# Altium PCB sudoku.PcbDoc (part 1 of 3) (continued)
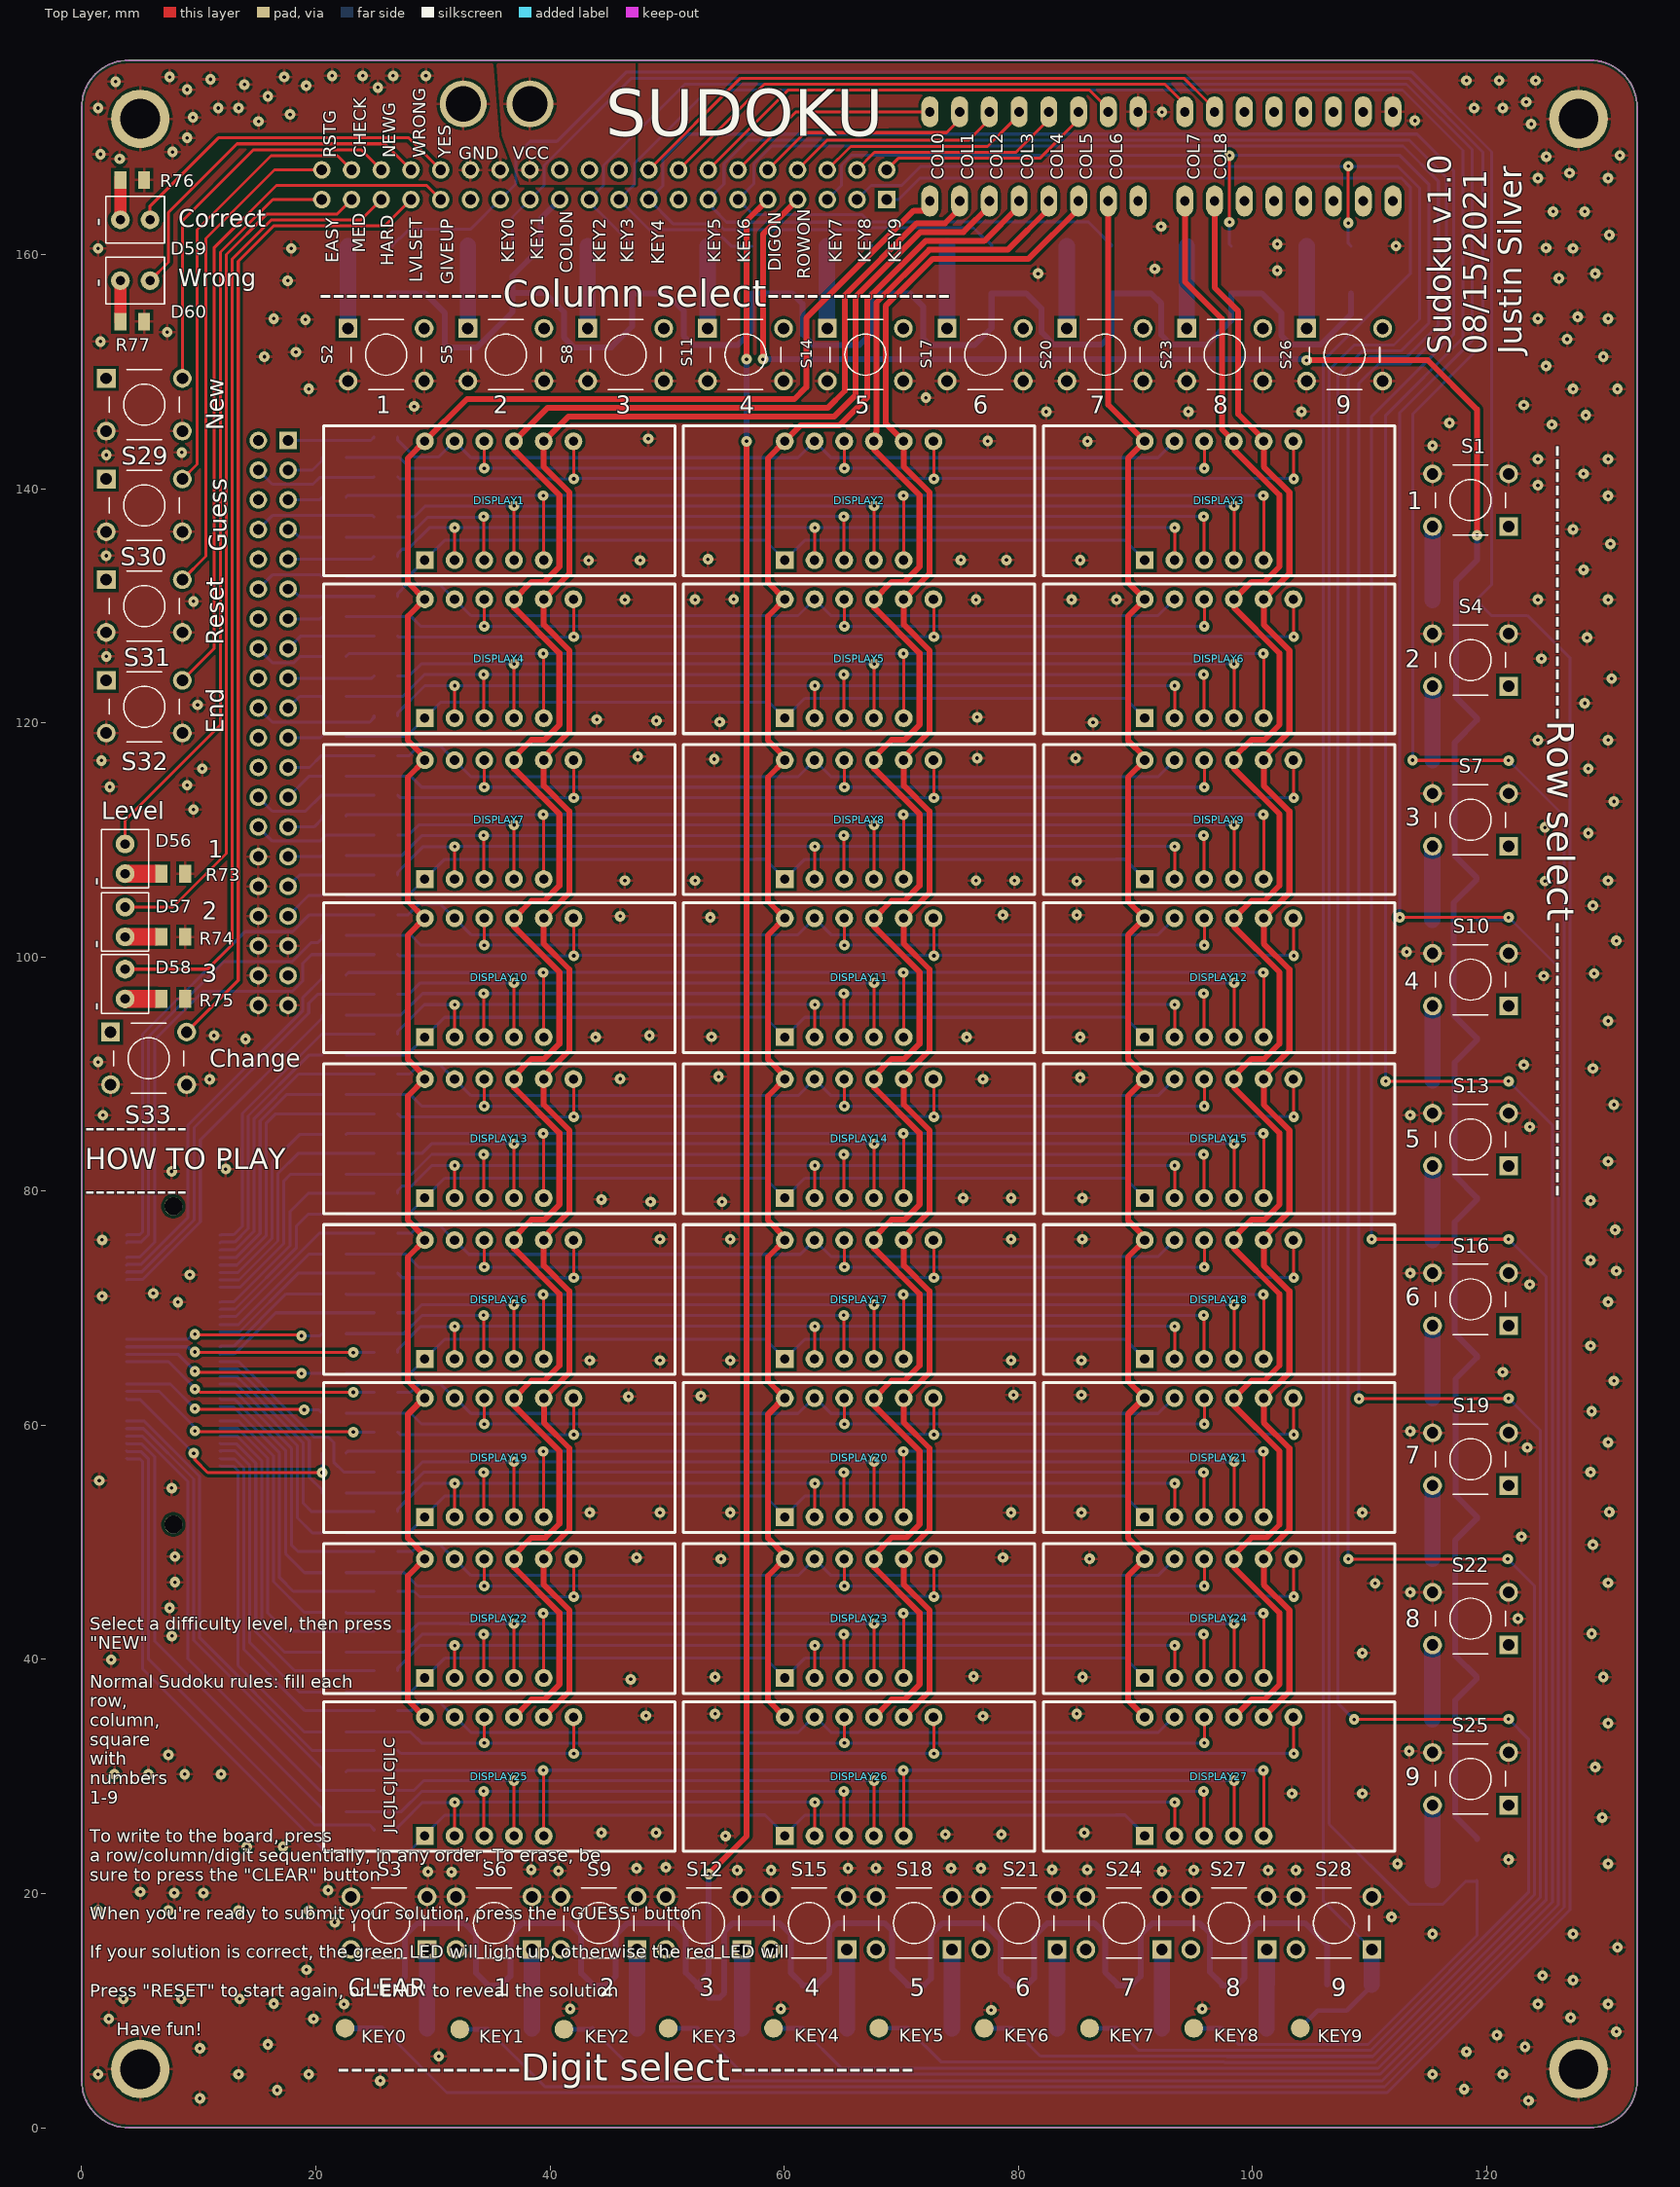
[diagram p0: Top Layer view]
## Components (designator, comment, footprint, x,y, rotation, side; value= is the part's Value field where it differs from the comment)
D1 "Diode 1N4007" DIODE_SMC 117.6,133.79 r0 bottom
D2 "Diode 1N4007" DIODE_SMC 24.95,156.525 r0 bottom
D3 "Diode 1N4007" DIODE_SMC 27.3,12.35 r180 bottom
D4 "Diode 1N4007" DIODE_SMC 117.6,130.29 r0 bottom
D5 "Diode 1N4007" DIODE_SMC 24.95,160.558 r0 bottom
D6 "Diode 1N4007" DIODE_SMC 27.3,8.692 r180 bottom
D7 "Diode 1N4007" DIODE_SMC 117.6,120.13 r0 bottom
D8 "Diode 1N4007" DIODE_SMC 35.2,156.55 r0 bottom
D9 "Diode 1N4007" DIODE_SMC 36.269,12.35 r180 bottom
D10 "Diode 1N4007" DIODE_SMC 117.6,116.63 r0 bottom
D11 "Diode 1N4007" DIODE_SMC 35.2,160.583 r0 bottom
D12 "Diode 1N4007" DIODE_SMC 36.269,8.692 r180 bottom
D13 "Diode 1N4007" DIODE_SMC 117.575,106.515 r0 bottom
D14 "Diode 1N4007" DIODE_SMC 45.422,156.525 r0 bottom
D15 "Diode 1N4007" DIODE_SMC 45.239,12.35 r180 bottom
D16 "Diode 1N4007" DIODE_SMC 117.575,102.98 r0 bottom
D17 "Diode 1N4007" DIODE_SMC 45.422,160.558 r0 bottom
D18 "Diode 1N4007" DIODE_SMC 45.239,8.692 r180 bottom
D19 "Diode 1N4007" DIODE_SMC 117.6,92.8 r0 bottom
D20 "Diode 1N4007" DIODE_SMC 55.658,156.525 r0 bottom
D21 "Diode 1N4007" DIODE_SMC 54.208,12.35 r180 bottom
D22 "Diode 1N4007" DIODE_SMC 117.6,89.266 r0 bottom
D23 "Diode 1N4007" DIODE_SMC 55.658,160.558 r0 bottom
D24 "Diode 1N4007" DIODE_SMC 54.208,8.692 r180 bottom
D25 "Diode 1N4007" DIODE_SMC 117.6,79.165 r0 bottom
D26 "Diode 1N4007" DIODE_SMC 65.871,156.525 r0 bottom
D27 "Diode 1N4007" DIODE_SMC 63.178,12.35 r180 bottom
D28 "Diode 1N4007" DIODE_SMC 117.6,75.63 r0 bottom
D29 "Diode 1N4007" DIODE_SMC 65.871,160.558 r0 bottom
D30 "Diode 1N4007" DIODE_SMC 63.178,8.692 r180 bottom
D31 "Diode 1N4007" DIODE_SMC 117.6,65.665 r0 bottom
D32 "Diode 1N4007" DIODE_SMC 76.131,156.525 r0 bottom
D33 "Diode 1N4007" DIODE_SMC 72.147,12.35 r180 bottom
D34 "Diode 1N4007" DIODE_SMC 117.6,62.13 r0 bottom
D35 "Diode 1N4007" DIODE_SMC 76.131,160.558 r0 bottom
D36 "Diode 1N4007" DIODE_SMC 72.147,8.692 r180 bottom
D37 "Diode 1N4007" DIODE_SMC 117.6,51.914 r0 bottom
D38 "Diode 1N4007" DIODE_SMC 86.367,156.525 r0 bottom
D39 "Diode 1N4007" DIODE_SMC 81.117,12.35 r180 bottom
D40 "Diode 1N4007" DIODE_SMC 117.6,48.38 r0 bottom
D41 "Diode 1N4007" DIODE_SMC 86.367,160.558 r0 bottom
D42 "Diode 1N4007" DIODE_SMC 81.117,8.692 r180 bottom
D43 "Diode 1N4007" DIODE_SMC 117.575,38.225 r0 bottom
D44 "Diode 1N4007" DIODE_SMC 96.603,156.525 r0 bottom
D45 "Diode 1N4007" DIODE_SMC 90.086,12.35 r180 bottom
D46 "Diode 1N4007" DIODE_SMC 117.575,34.69 r0 bottom
D47 "Diode 1N4007" DIODE_SMC 96.603,160.558 r0 bottom
D48 "Diode 1N4007" DIODE_SMC 90.086,8.692 r180 bottom
D49 "Diode 1N4007" DIODE_SMC 117.6,24.475 r0 bottom
D50 "Diode 1N4007" DIODE_SMC 106.839,156.525 r0 bottom
D51 "Diode 1N4007" DIODE_SMC 99.028,12.35 r180 bottom
D52 "Diode 1N4007" DIODE_SMC 117.6,20.941 r0 bottom
D53 "Diode 1N4007" DIODE_SMC 106.839,160.558 r0 bottom
D54 "Diode 1N4007" DIODE_SMC 99.028,8.692 r180 bottom
D55 "Diode 1N4007" DIODE_SMC 108,12.425 r180 bottom
D56 "RED" RED 3.702,108.405 r0 top
D57 "RED" RED 3.702,103.005 r0 top
D58 "RED" RED 3.702,97.705 r0 top
D59 "GREEN" GREEN 4.57,163 r270 top
D60 "RED" RED 4.57,157.8 r270 top
DISPLAY1 "" 3DIGITDISPLAY 35.659,139 r0 top
DISPLAY2 "" 3DIGITDISPLAY 66.409,139 r0 top
DISPLAY3 "" 3DIGITDISPLAY 97.159,139 r0 top
DISPLAY4 "" 3DIGITDISPLAY 35.659,125.5 r0 top
DISPLAY5 "" 3DIGITDISPLAY 66.409,125.5 r0 top
DISPLAY6 "" 3DIGITDISPLAY 97.159,125.5 r0 top
DISPLAY7 "" 3DIGITDISPLAY 35.659,111.75 r0 top
DISPLAY8 "" 3DIGITDISPLAY 66.409,111.75 r0 top
DISPLAY9 "" 3DIGITDISPLAY 97.159,111.75 r0 top
DISPLAY10 "" 3DIGITDISPLAY 35.659,98.25 r0 top
DISPLAY11 "" 3DIGITDISPLAY 66.409,98.25 r0 top
DISPLAY12 "" 3DIGITDISPLAY 97.159,98.25 r0 top
DISPLAY13 "" 3DIGITDISPLAY 35.659,84.5 r0 top
DISPLAY14 "" 3DIGITDISPLAY 66.409,84.5 r0 top
DISPLAY15 "" 3DIGITDISPLAY 97.159,84.5 r0 top
DISPLAY16 "" 3DIGITDISPLAY 35.659,70.75 r0 top
DISPLAY17 "" 3DIGITDISPLAY 66.409,70.75 r0 top
DISPLAY18 "" 3DIGITDISPLAY 97.159,70.75 r0 top
DISPLAY19 "" 3DIGITDISPLAY 35.659,57.25 r0 top
DISPLAY20 "" 3DIGITDISPLAY 66.409,57.25 r0 top
DISPLAY21 "" 3DIGITDISPLAY 97.159,57.25 r0 top
DISPLAY22 "" 3DIGITDISPLAY 35.659,43.5 r0 top
DISPLAY23 "" 3DIGITDISPLAY 66.409,43.5 r0 top
DISPLAY24 "" 3DIGITDISPLAY 97.159,43.5 r0 top
DISPLAY25 "" 3DIGITDISPLAY 35.659,30 r0 top
DISPLAY26 "" 3DIGITDISPLAY 66.409,30 r0 top
DISPLAY27 "" 3DIGITDISPLAY 97.159,30 r0 top
J1 "Header 20X2 (J5)" 2x20 68.77,164.725 r180 bottom
J2 "Header 20X2 (J4)" 2x20 17.625,144.15 r270 bottom
J3 "" SAMTEC_MEC6-140-02-L-D-RA1-TR 7.825,65.125 r270 bottom
R1 "Res1" SMD-0805-RES 25.984,49.225 r90 bottom value=220
R2 "Res1" SMD-0805-RES 25.984,45.825 r90 bottom value=220
R3 "Res1" SMD-0805-RES 25.984,42.425 r90 bottom value=220
R4 "Res1" SMD-0805-RES 25.984,62.825 r90 bottom value=220
R5 "Res1" SMD-0805-RES 25.984,39.025 r90 bottom value=220
R6 "Res1" SMD-0805-RES 25.984,59.425 r90 bottom value=220
R7 "Res1" SMD-0805-RES 21.554,37.211 r90 bottom value=220
R8 "Res1" SMD-0805-RES 25.984,56.025 r90 bottom value=220
R9 "Res1" SMD-0805-RES 21.554,47.42 r90 bottom value=220
R10 "Res1" SMD-0805-RES 25.984,52.625 r90 bottom value=220
R11 "Res1" SMD-0805-RES 21.554,44.017 r90 bottom value=220
R12 "Res1" SMD-0805-RES 21.554,50.823 r90 bottom value=220
R13 "Res1" SMD-0805-RES 21.554,40.614 r90 bottom value=220
R14 "Res1" SMD-0805-RES 21.554,61.031 r90 bottom value=220
R15 "Res1" SMD-0805-RES 21.554,57.629 r90 bottom value=220
R16 "Res1" SMD-0805-RES 25.984,35.625 r90 bottom value=220
R17 "Res1" SMD-0805-RES 21.554,54.226 r90 bottom value=220
R18 "Res1" SMD-0805-RES 25.984,32.225 r90 bottom value=220
R19 "Res1" SMD-0805-RES 25.984,28.825 r90 bottom value=220
R20 "Res1" SMD-0805-RES 25.984,25.425 r90 bottom value=220
R21 "Res1" SMD-0805-RES 21.554,23.6 r90 bottom value=220
R22 "Res1" SMD-0805-RES 21.554,33.809 r90 bottom value=220
R23 "Res1" SMD-0805-RES 21.554,30.406 r90 bottom value=220
R24 "Res1" SMD-0805-RES 21.554,27.003 r90 bottom value=220
R25 "Res1" SMD-0805-RES 25.984,103.625 r270 bottom value=220
R26 "Res1" SMD-0805-RES 25.984,100.225 r270 bottom value=220
R27 "Res1" SMD-0805-RES 25.984,96.825 r270 bottom value=220
R28 "Res1" SMD-0805-RES 25.984,93.425 r270 bottom value=220
R29 "Res1" SMD-0805-RES 21.554,91.657 r270 bottom value=220
R30 "Res1" SMD-0805-RES 25.984,130.825 r90 bottom value=220
R31 "Res1" SMD-0805-RES 21.554,101.866 r270 bottom value=220
R32 "Res1" SMD-0805-RES 25.984,127.425 r90 bottom value=220
R33 "Res1" SMD-0805-RES 21.554,98.463 r270 bottom value=220
R34 "Res1" SMD-0805-RES 25.984,124.025 r90 bottom value=220
R35 "Res1" SMD-0805-RES 21.554,95.06 r270 bottom value=220
R36 "Res1" SMD-0805-RES 25.984,120.625 r90 bottom value=220
R37 "Res1" SMD-0805-RES 21.554,118.88 r90 bottom value=220
R38 "Res1" SMD-0805-RES 25.984,90.025 r270 bottom value=220
R39 "Res1" SMD-0805-RES 21.554,129.089 r90 bottom value=220
R40 "Res1" SMD-0805-RES 25.984,86.625 r270 bottom value=220
R41 "Res1" SMD-0805-RES 21.554,125.686 r90 bottom value=220
R42 "Res1" SMD-0805-RES 25.984,83.225 r270 bottom value=220
R43 "Res1" SMD-0805-RES 21.554,122.283 r90 bottom value=220
R44 "Res1" SMD-0805-RES 25.984,79.825 r270 bottom value=220
R45 "Res1" SMD-0805-RES 21.554,78.046 r270 bottom value=220
R46 "Res1" SMD-0805-RES 25.984,144.425 r90 bottom value=220
R47 "Res1" SMD-0805-RES 21.554,88.254 r270 bottom value=220
R48 "Res1" SMD-0805-RES 25.984,141.025 r90 bottom value=220
R49 "Res1" SMD-0805-RES 21.554,84.851 r270 bottom value=220
R50 "Res1" SMD-0805-RES 25.984,137.625 r90 bottom value=220
R51 "Res1" SMD-0805-RES 21.554,81.449 r270 bottom value=220
R52 "Res1" SMD-0805-RES 25.984,134.225 r90 bottom value=220
R53 "Res1" SMD-0805-RES 21.554,132.491 r90 bottom value=220
R54 "Res1" SMD-0805-RES 25.984,76.425 r270 bottom value=220
R55 "Res1" SMD-0805-RES 21.554,142.7 r90 bottom value=220
R56 "Res1" SMD-0805-RES 25.984,73.025 r270 bottom value=220
R57 "Res1" SMD-0805-RES 21.554,139.297 r90 bottom value=220
R58 "Res1" SMD-0805-RES 25.984,69.625 r270 bottom value=220
R59 "Res1" SMD-0805-RES 21.554,135.894 r90 bottom value=220
R60 "Res1" SMD-0805-RES 25.984,66.225 r270 bottom value=220
R61 "Res1" SMD-0805-RES 21.554,64.434 r270 bottom value=220
R62 "Res1" SMD-0805-RES 25.984,117.225 r270 bottom value=220
R63 "Res1" SMD-0805-RES 21.554,74.643 r270 bottom value=220
R64 "Res1" SMD-0805-RES 25.984,113.825 r270 bottom value=220
R65 "Res1" SMD-0805-RES 21.554,71.24 r270 bottom value=220
R66 "Res1" SMD-0805-RES 25.984,110.425 r270 bottom value=220
R67 "Res1" SMD-0805-RES 21.554,67.837 r270 bottom value=220
R68 "Res1" SMD-0805-RES 25.984,107.025 r270 bottom value=220
R69 "Res1" SMD-0805-RES 21.554,105.269 r270 bottom value=220
R70 "Res1" SMD-0805-RES 21.554,115.477 r270 bottom value=220
R71 "Res1" SMD-0805-RES 21.554,112.074 r270 bottom value=220
R72 "Res1" SMD-0805-RES 21.554,108.671 r270 bottom value=220
R73 "Res1" SMD-0805-RES 7.816,107.135 r90 top value=220
R74 "Res1" SMD-0805-RES 7.816,101.735 r90 top value=220
R75 "Res1" SMD-0805-RES 7.816,96.435 r90 top value=220
R76 "Res1" SMD-0805-RES 4.316,166.4 r90 top value=220
R77 "Res1" SMD-0805-RES 4.316,154.3 r90 top value=220
S1 "ROW0" SW_1825910-6-4 118.65,139.046 r180 top
S2 "COL0" SW_1825910-6-4 26,151.475 r0 top
S3 "DIG0" SW_1825910-6-4 26.25,17.475 r180 top
S4 "ROW1" SW_1825910-6-4 118.65,125.39 r180 top
S5 "COL1" SW_1825910-6-4 36.236,151.475 r0 top
S6 "DIG1" SW_1825910-6-4 35.219,17.475 r180 top
S7 "ROW2" SW_1825910-6-4 118.65,111.734 r180 top
S8 "COL2" SW_1825910-6-4 46.472,151.475 r0 top
S9 "DIG2" SW_1825910-6-4 44.189,17.475 r180 top
S10 "ROW3" SW_1825910-6-4 118.65,98.079 r180 top
S11 "COL3" SW_1825910-6-4 56.708,151.475 r0 top
S12 "DIG3" SW_1825910-6-4 53.158,17.475 r180 top
S13 "ROW4" SW_1825910-6-4 118.65,84.423 r180 top
S14 "COL4" SW_1825910-6-4 66.945,151.475 r0 top
S15 "DIG4" SW_1825910-6-4 62.128,17.475 r180 top
S16 "ROW5" SW_1825910-6-4 118.65,70.767 r180 top
S17 "COL5" SW_1825910-6-4 77.181,151.475 r0 top
S18 "DIG5" SW_1825910-6-4 71.097,17.475 r180 top
S19 "ROW6" SW_1825910-6-4 118.65,57.111 r180 top
S20 "COL6" SW_1825910-6-4 87.417,151.475 r0 top
S21 "DIG6" SW_1825910-6-4 80.067,17.475 r180 top
S22 "ROW7" SW_1825910-6-4 118.65,43.49 r180 top
S23 "COL7" SW_1825910-6-4 97.653,151.475 r0 top
S24 "DIG7" SW_1825910-6-4 89.036,17.475 r180 top
S25 "ROW8" SW_1825910-6-4 118.65,29.8 r180 top
S26 "COL8" SW_1825910-6-4 107.889,151.475 r0 top
S27 "DIG8" SW_1825910-6-4 98.006,17.475 r180 top
S28 "DIG9" SW_1825910-6-4 106.975,17.475 r180 top
S29 "NEWGAME" SW_1825910-6-4 5.344,147.2 r0 top
S30 "CHECKANS" SW_1825910-6-4 5.344,138.6 r0 top
S31 "RSTGAME" SW_1825910-6-4 5.344,130 r0 top
S32 "GIVEUP" SW_1825910-6-4 5.344,121.4 r0 top
S33 "DIFFSET" SW_1825910-6-4 5.714,91.357 r0 top
U1 "" DIL16 81.35,168.415 r0 bottom
U2 "" DIL16 103.13,168.415 r0 bottom

## Footprints (in the part's own frame and the unit in brackets; to place one, negate y for a bottom-side part, rotate by r counter-clockwise, add the part's x,y. Pads: shape width x height; smd on the part's side, far side on the other; paste and mask are expansions set on the pad)
2x20 [mm] "Connector; Header; 20x2 Position"
  rect 1.5x1.5 hole 0.9: 1(0,0)
  round 1.5 hole 0.9: 2(0,2.54) 3(2.54,0) 4(2.54,2.54) 5(5.08,0) 6(5.08,2.54) 7(7.62,0) 8(7.62,2.54) 9(10.16,0) 10(10.16,2.54) 11(12.7,0) 12(12.7,2.54) 13(15.24,0) 14(15.24,2.54) 15(17.78,0) 16(17.78,2.54) 17(20.32,0) 18(20.32,2.54) 19(22.86,0) 20(22.86,2.54) 21(25.4,0) 22(25.4,2.54) 23(27.94,0) 24(27.94,2.54) 25(30.48,0) 26(30.48,2.54) 27(33.02,0) 28(33.02,2.54) 29(35.56,0) 30(35.56,2.54) 31(38.1,0) 32(38.1,2.54) 33(40.64,0) 34(40.64,2.54) 35(43.18,0) 36(43.18,2.54) 37(45.72,0) 38(45.72,2.54) 39(48.26,0) 40(48.26,2.54)
  silkscreen extent -1.27,-1.27 49.53,3.81, body extent -1.4,-1.23 49.7,3.77, height 8.5
3DIGITDISPLAY [mil]
  rect 60x60 hole 31.5: 1(-250.03,-200)
  round 60 hole 31.5: 2(-150.03,-200) 3(-50.03,-200) 4(49.97,-200) 5(149.97,-200) 7(249.97,200) 8(149.97,200) 9(49.97,200) 10(-50.03,200) 11(-150.03,200) 12(-250.03,200)
  silkscreen extent -591,-252 591,252, body extent -591,-252 591,252, height 276
DIL16 [mil]
  oval 57x104 hole 32: 1(-350,-150) 2(-250,-150) 3(-150,-150) 4(-50,-150) 5(50,-150) 6(150,-150) 7(250,-150) 8(350,-150) 9(350,150) 10(250,150) 11(150,150) 12(50,150) 13(-50,150) 14(-150,150) 15(-250,150) 16(-350,150)
  silkscreen extent -400,-69 400,76, body extent -400,-209 403,204, height 317
DIODE_SMC [mm] "Diode; 2 Leads"
  rect 1.4x1.57 smd: 1(1.6,-0.2) 2(-2.2,-0.2)
  silkscreen extent -3.4,-1.6 2.8,1.2, body extent -2.95,-1.75 2.35,1.36, height 2.4
GREEN [mm] "LED; 2 Leads"
  round 1.6 hole 0.8: 1(0,1.27) 2(0,-1.27)
  silkscreen extent -2,-2.5 2,2.5, body extent -1.49,-1.95 2,2.03, height 5.38
RED [mm] "LED; 2 Leads"
  round 1.6 hole 0.8: 1(0,1.27) 2(0,-1.27)
  silkscreen extent -2,-2.5 2,2.5, body extent -1.49,-1.95 2,2.03, height 5.38
SAMTEC_MEC6-140-02-L-D-RA1-TR [mm]
  rect 0.4x2 smd: 01(-12.383,-4) 02(-12.382,4) 03(-11.748,-4) 04(-11.747,4) 05(-11.113,-4) 06(-11.112,4) 07(-10.478,-4) 08(-10.477,4) 09(-9.843,-4) 10(-9.842,4) 11(-9.208,-4) 12(-9.207,4) 13(-8.573,-4) 14(-8.572,4) 15(-7.938,-4) 16(-7.937,4) 17(-7.303,-4) 18(-7.302,4) 19(-6.668,-4) 20(-6.667,4) 21(-6.033,-4) 22(-6.032,4) 23(-5.398,-4) 24(-5.397,4) 25(-4.763,-4) 26(-4.762,4) 27(-4.128,-4) 28(-4.127,4) 29(-3.493,-4) 30(-3.492,4) 31(-2.858,-4) 32(-2.857,4) 33(-2.223,-4) 34(-2.222,4) 35(-1.588,-4) 36(-1.587,4) 37(-0.953,-4) 38(-0.952,4) 39(-0.318,-4) 40(-0.317,4) 41(0.317,-4) 42(0.318,4) 43(0.952,-4) 44(0.953,4) 45(1.587,-4) 46(1.588,4) 47(2.222,-4) 48(2.223,4) 49(2.857,-4) 50(2.858,4) 51(3.492,-4) 52(3.493,4) 53(4.127,-4) 54(4.128,4) 55(4.762,-4) 56(4.763,4) 57(5.397,-4) 58(5.398,4) 59(6.032,-4) 60(6.033,4) 61(6.667,-4) 62(6.668,4) 63(7.302,-4) 64(7.303,4) 65(7.937,-4) 66(7.938,4) 67(8.572,-4) 68(8.573,4) 69(9.207,-4) 70(9.208,4) 71(9.842,-4) 72(9.843,4) 73(10.477,-4) 74(10.478,4) 75(11.112,-4) 76(11.113,4) 77(11.747,-4) 78(11.748,4) 79(12.382,-4) 80(12.383,4)
  round 1.55 hole 1.55 unplated: ""(-13.593,0) ""(13.593,0)
  silkscreen extent -14.29,-5.7 14.29,3.7, body extent -14.21,-4.53 14.35,4.57, height 5.75
SMD-0805-RES [mil]
  rect 60x40 smd: 1(0,40) 2(0,-40)
  body extent -24,-39 26,39, height 31
SW_1825910-6-4 [mm]
  rect 1.6x1.6 hole 0.99: 1(-3.25,2.25)
  round 1.6 hole 0.99: 2(3.25,2.25) 3(-3.25,-2.25) 4(3.25,-2.25)
  silkscreen extent -3,-3 3,3, body extent -3.84,-3 3.84,3, height 9.5

## Part data
D1 D2 D3 D4 D5 D6 D7 D8 D9 D10 D11 D12 D13 D14 D15 D16 D17 D18 D19 D20 D21 D22 D23 D24 D25 D26 D27 D28 D29 D30 D31 D32 D33 D34 D35 D36 D37 D38 D39 D40 D41 D42 D43 D44 D45 D46 D47 D48 D49 D50 D51 D52 D53 D54 D55: "1 Amp General Purpose Rectifier", Code_JEDEC=DO-204-AL, ComponentLink1Description="Manufacturer Link", ComponentLink1URL=http://www.fairchildsemi.com/, ComponentLink2Description=Datasheet, ComponentLink2URL=http://www.fairchildsemi.com/ds/1N%2F1N4001.pdf, DatasheetVersion=1998, LatestRevisionDate=17-Jul-2002, LatestRevisionNote="Re-released for DXP Platform.", PackageDescription="Diode, Axial; Body 5.2 x 2.7 mm (LxDia. max), Lead Dia. 0.86 mm (max)", PackageReference=DO-41, PackageVersion=Aug-1999, Published=8-Jun-2000, Publisher="Altium Limited"
D56 D57 D58 D59 D60: library part LED1, "Typical RED GaAs LED", LatestRevisionDate=08-Jul-2005, LatestRevisionNote="Mech Layer 1 removed.", PackageDescription="LED; 2 Leads", PackageReference=LED-1, Published=8-Jun-2000, Publisher="Altium Limited"
DISPLAY1: library part 3DIGITREDCC, "7-Segment Display", Colour="High Efficiency Red (HER)", ComponentLink1Description="Manufacturer Link", ComponentLink1URL=http://www.agilent.com/, DatasheetVersion=19-Feb-2002, LatestRevisionDate=17-Dec-2003, LatestRevisionNote="Schematic revised, PCB Footprint replaced.", MinimumIntensity="360 ucd", Note="Pins 1 and 6 are redundant Cathodes.", PackageDescription="LED, 7-Segment Display, 7.62 mm, RHD; 10 Leads; Row Space 5.08 mm; Pitch 2.54 mm", PackageReference=A, PackageVersion=11-Feb-2002, Published=8-Jun-2000, Publisher="Altium Limited"
DISPLAY2 DISPLAY3 DISPLAY4 DISPLAY5 DISPLAY6 DISPLAY7 DISPLAY8 DISPLAY9 DISPLAY10 DISPLAY11 DISPLAY12 DISPLAY13 DISPLAY14 DISPLAY15 DISPLAY16 DISPLAY17 DISPLAY18 DISPLAY19 DISPLAY20 DISPLAY21 DISPLAY22 DISPLAY23 DISPLAY24 DISPLAY25 DISPLAY26 DISPLAY27: library part 3DIGITREDCC, "7.62 mm Black Surface HER 7-Segment Display: CC, RH DP", Colour="High Efficiency Red (HER)", ComponentLink1Description="Manufacturer Link", ComponentLink1URL=http://www.agilent.com/, DatasheetVersion=19-Feb-2002, LatestRevisionDate=17-Dec-2003, LatestRevisionNote="Schematic revised, PCB Footprint replaced.", MinimumIntensity="360 ucd", Note="Pins 1 and 6 are redundant Cathodes.", PackageDescription="LED, 7-Segment Display, 7.62 mm, RHD; 10 Leads; Row Space 5.08 mm; Pitch 2.54 mm", PackageReference=A, PackageVersion=11-Feb-2002, Published=8-Jun-2000, Publisher="Altium Limited"
J1 J2: library part "Header 20X2", "Header, 20-Pin, Dual row", LatestRevisionDate=17-Jul-2002, LatestRevisionNote="Re-released for DXP Platform.", Publisher="Altium Limited"
J3: library part MEC6-140-02-L-D-RA1-TR, "Edge connector", Package=None, Availability=Unavailable, MF=Samtec, MP=MEC6-140-02-L-D-RA1-TR, Price=None
R1 R2 R3 R4 R5 R6 R7 R8 R9 R10 R11 R12 R13 R14 R15 R16 R17 R18 R19 R20 R21 R22 R23 R24 R25 R26 R27 R28 R29 R30 R31 R32 R33 R34 R35 R36 R37 R38 R39 R40 R41 R42 R43 R44 R45 R46 R47 R48 R49 R50 R51 R52 R53 R54 R55 R56 R57 R58 R59 R60 R61 R62 R63 R64 R65 R66 R67 R68 R69 R70 R71 R72 R73 R74 R75 R76 R77: "Resistor", LatestRevisionDate=17-Jul-2002, LatestRevisionNote="Re-released for DXP Platform.", PackageDescription="Axial Device, Thru-Hole; 2 Leads; 0.3 in Pin Spacing", PackageReference=AXIAL-0.3, Published=8-Jun-2000, Publisher="Altium Limited"
S1 S2 S3 S4 S5 S6 S7 S8 S9 S10 S11 S12 S13 S14 S15 S16 S17 S18 S19 S20 S21 S22 S23 S24 S25 S26 S27 S28 S29 S30 S31 S32 S33: library part SW-PB, "Switch", LatestRevisionDate=17-Jul-2002, LatestRevisionNote="Re-released for DXP Platform.", PackageDescription="Switch; 2 Leads", PackageReference=SPST-2, Published=24-Mar-1999, Publisher="Altium Limited"
U1 U2: library part ULN2003A

## Free pads (board coordinates)
  round 4 hole 3: 25(32.594,172.9) 26(38.29,172.9)
  round 5 hole 3.4 mask+0.065: 27(5,5) 27(5,171.625) 27(127.875,5) 27(127.875,171.625)
  round 1.6 all layers, no hole: 28(22.5,8.5) 28(32.3,8.407) 28(41.2,8.407) 28(50.1,8.492) 28(59.1,8.492) 28(68.1,8.5) 28(77.1,8.492) 28(86.1,8.492) 28(95,8.492) 28(104.1,8.5)

## Via types
v1: diameter 0.9, hole 0.3, Top Layer to Bottom Layer, 533 vias

## Nets (pads, with @x,y where several pads share a name; then routed paths per layer and width w, separated by ;. In a path a pad name is that pad's centre, name@x,y a point inside that pad or via, vN(x,y) a via of type N, cw(c..) or ccw(c..) an arc to the next point about the centre after c; other vN are vias at no path point)
/LEDCOL0: DISPLAY1.12 DISPLAY4.12 DISPLAY7.12 DISPLAY10.12 DISPLAY13.12 DISPLAY16.12 DISPLAY19.12 DISPLAY22.12 DISPLAY25.12 U1.16 | length 175
  Top Layer w0.5: DISPLAY25.12@29.309,35.08 27.859,36.529 27.859,47.131 DISPLAY22.12@29.309,48.58 ; DISPLAY22.12@29.309,48.92 27.859,50.369 27.859,60.881 ; DISPLAY19.12@29.309,62.42 DISPLAY19.12@29.264,62.375 ; DISPLAY16.12@29.309,75.83 27.859,74.381 27.859,63.779 DISPLAY19.12@29.264,62.375 ; DISPLAY16.12@29.309,76.08 27.859,77.529 27.859,88.131 DISPLAY13.12@29.309,89.58 ; DISPLAY13.12@29.309,89.83 27.859,91.279 27.859,101.881 DISPLAY10.12@29.309,103.33 27.859,104.779 27.859,115.381 DISPLAY7.12@29.309,116.83 ; DISPLAY7.12@29.309,117.08 27.859,118.529 27.859,129.131 DISPLAY4.12@29.309,130.58 27.859,132.029 27.859,142.631 DISPLAY1.12@29.309,144.08 32.913,147.684 60.884,147.684 61.9,148.7 61.9,154.6 71.088,163.788 72.081,163.788 72.46,164.167 U1.16@72.46,164.605 ; 27.859,60.881 DISPLAY19.12@29.309,62.33 DISPLAY19.12@29.264,62.375 ; 27.859,60.881 27.859,60.971 DISPLAY19.12@29.264,62.375
/LEDCOL1: DISPLAY1.9 DISPLAY4.9 DISPLAY7.9 DISPLAY10.9 DISPLAY13.9 DISPLAY16.9 DISPLAY19.9 DISPLAY22.9 DISPLAY25.9 U1.15 | length 191.8
  Top Layer w0.5: DISPLAY25.9@36.929,34.803 DISPLAY25.9@36.929,35.08 ; DISPLAY25.9@36.929,35.17 DISPLAY25.9@36.929,35.08 ; DISPLAY22.9@36.929,48.58 36.929,47.856 40.811,43.974 40.811,37.864 39.516,36.57 38.419,36.57 DISPLAY25.9@36.929,35.08 ; DISPLAY22.9@36.929,48.643 36.929,48.92 38.419,50.41 39.619,50.41 40.811,51.601 40.811,57.814 36.929,61.696 DISPLAY19.9@36.929,62.33 ; DISPLAY19.9@36.929,62.42 DISPLAY19.9@36.929,62.33 ; DISPLAY7.9@36.929,116.83 36.929,116.106 40.811,112.224 40.811,106.114 39.516,104.82 38.419,104.82 DISPLAY10.9@36.929,103.33 36.929,102.606 40.811,98.724 40.811,92.614 39.516,91.32 38.419,91.32 36.929,89.83 DISPLAY13.9@36.929,89.58 36.929,88.856 40.811,84.974 40.811,78.864 39.516,77.57 38.419,77.57 36.929,76.08 DISPLAY16.9@36.929,75.83 36.929,75.106 40.811,71.224 40.811,65.114 39.516,63.82 38.419,63.82 DISPLAY19.9@36.929,62.33 ; DISPLAY7.9@36.929,117.08 38.419,118.57 39.516,118.57 40.811,119.864 40.811,125.974 36.929,129.856 DISPLAY4.9@36.929,130.58 38.419,132.07 39.516,132.07 40.811,133.364 40.811,139.474 36.929,143.356 DISPLAY1.9@36.929,144.08 39.779,146.93 63.73,146.93 65.192,148.392 65.192,156.558 71.338,162.704 73.76,162.704 75,163.945 U1.15@75,164.605
/LEDCOL2: DISPLAY1.8 DISPLAY4.8 DISPLAY7.8 DISPLAY10.8 DISPLAY13.8 DISPLAY16.8 DISPLAY19.8 DISPLAY22.8 DISPLAY25.8 U1.14 | length 175.1
  Top Layer w0.5: DISPLAY7.8@39.469,116.83 39.469,114.648 41.659,112.457 41.659,105.521 DISPLAY10.8@39.469,103.33 39.469,101.148 41.659,98.957 41.659,92.021 39.469,89.83 DISPLAY13.8@39.469,89.58 39.469,87.398 41.659,85.207 41.659,78.271 39.469,76.08 DISPLAY16.8@39.469,75.83 39.469,73.648 41.659,71.457 41.659,64.521 DISPLAY19.8@39.469,62.33 39.509,62.289 39.509,60.198 41.659,58.048 41.659,51.111 39.469,48.92 DISPLAY22.8@39.469,48.58 39.469,46.398 41.659,44.207 41.659,37.271 DISPLAY25.8@39.469,35.08 DISPLAY25.8@39.509,35.039 ; DISPLAY7.8@39.469,117.08 41.659,119.271 41.659,126.207 39.469,128.398 DISPLAY4.8@39.469,130.58 41.659,132.771 41.659,139.707 39.469,141.898 DISPLAY1.8@39.469,144.08 41.565,146.176 64.276,146.176 66.1,148 66.1,156.4 71.65,161.95 75.323,161.95 77.54,164.167 U1.14@77.54,164.605
/LEDCOL3: DISPLAY2.12 DISPLAY5.12 DISPLAY8.12 DISPLAY11.12 DISPLAY14.12 DISPLAY17.12 DISPLAY20.12 DISPLAY23.12 DISPLAY26.12 U1.13 | length 153.4
  Top Layer w0.5: DISPLAY2.12@60.059,144.08 61.401,145.422 64.722,145.422 67.1,147.8 67.1,156.2 72.083,161.183 77.096,161.183 80.08,164.167 U1.13@80.08,164.605 ; DISPLAY26.12@60.075,35.08 58.626,36.529 58.626,47.131 DISPLAY23.12@60.075,48.58 ; DISPLAY23.12@60.075,48.92 58.626,50.369 58.626,60.881 ; DISPLAY20.12@60.075,62.42 DISPLAY20.12@60.03,62.375 ; DISPLAY17.12@60.075,75.83 58.626,74.381 58.626,63.779 DISPLAY20.12@60.03,62.375 ; DISPLAY17.12@60.075,76.08 58.626,77.529 58.626,88.131 DISPLAY14.12@60.075,89.58 ; DISPLAY14.12@60.075,89.83 58.626,91.279 58.626,101.881 60.075,103.33 58.626,104.779 58.626,115.381 DISPLAY8.12@60.075,116.83 ; DISPLAY8.12@60.075,117.08 58.626,118.529 58.626,129.131 60.075,130.58 58.626,132.029 58.626,142.631 DISPLAY2.12@60.075,144.08 ; 58.626,60.881 60.075,62.33 DISPLAY20.12@60.03,62.375 ; 58.626,60.881 58.626,60.971 DISPLAY20.12@60.03,62.375
/LEDCOL4: DISPLAY2.9 DISPLAY5.9 DISPLAY8.9 DISPLAY11.9 DISPLAY14.9 DISPLAY17.9 DISPLAY20.9 DISPLAY23.9 DISPLAY26.9 U1.12 | length 170.8
  Top Layer w0.5: DISPLAY2.9@67.679,144.08 67.875,144.276 67.875,144.859 67.9,144.885 67.9,155.934 72.395,160.429 79.104,160.429 82.62,163.945 U1.12@82.62,164.605 ; DISPLAY26.9@67.695,34.803 DISPLAY26.9@67.695,35.08 ; DISPLAY26.9@67.695,35.17 DISPLAY26.9@67.695,35.08 ; DISPLAY23.9@67.695,48.58 67.695,47.856 71.577,43.974 71.577,37.864 70.283,36.57 69.185,36.57 DISPLAY26.9@67.695,35.08 ; DISPLAY23.9@67.695,48.643 67.695,48.92 69.225,50.45 70.484,50.45 71.577,51.543 71.577,57.814 67.695,61.696 DISPLAY20.9@67.695,62.33 ; DISPLAY20.9@67.695,62.42 DISPLAY20.9@67.695,62.33 ; DISPLAY8.9@67.695,116.83 67.695,116.106 71.577,112.224 71.577,106.114 70.283,104.82 69.185,104.82 67.695,103.33 67.695,102.606 71.577,98.724 71.577,92.614 70.283,91.32 69.185,91.32 67.695,89.83 67.695,88.856 71.577,84.974 71.577,78.864 70.283,77.57 69.185,77.57 67.695,76.08 67.695,75.106 71.577,71.224 71.577,65.114 70.283,63.82 69.185,63.82 DISPLAY20.9@67.695,62.33 ; DISPLAY8.9@67.695,117.08 69.185,118.57 70.283,118.57 71.577,119.864 71.577,125.974 67.695,129.856 67.695,130.58 69.185,132.07 70.283,132.07 71.577,133.364 71.577,139.474 67.695,143.356 DISPLAY2.9@67.695,144.08
/LEDCOL5: DISPLAY2.8 DISPLAY5.8 DISPLAY8.8 DISPLAY11.8 DISPLAY14.8 DISPLAY17.8 DISPLAY20.8 DISPLAY23.8 DISPLAY26.8 U1.11 | length 156.1
  Top Layer w0.5: DISPLAY26.8@70.219,35.08 DISPLAY26.8@70.235,35.063 ; DISPLAY20.8@70.219,62.33 70.235,62.313 70.235,60.238 72.426,58.048 72.426,51.111 70.235,48.92 70.235,46.398 72.426,44.207 72.426,37.271 DISPLAY26.8@70.235,35.08 ; DISPLAY2.8@70.219,144.08 68.673,145.625 68.673,155.641 72.708,159.675 80.89,159.675 85.16,163.945 U1.11@85.16,164.605 ; DISPLAY20.8@70.235,62.33 72.426,64.521 72.426,71.457 70.235,73.648 70.235,76.08 72.426,78.271 72.426,85.207 70.235,87.398 70.235,89.83 72.426,92.021 72.426,98.957 70.235,101.148 70.235,103.33 72.426,105.521 72.426,112.457 70.235,114.648 DISPLAY8.8@70.235,116.83 ; DISPLAY8.8@70.235,117.08 72.426,119.271 72.426,126.207 70.235,128.398 70.235,130.58 72.426,132.771 72.426,139.707 70.235,141.898 DISPLAY2.8@70.235,144.08
/LEDCOL6: DISPLAY3.12 DISPLAY6.12 DISPLAY9.12 DISPLAY12.12 DISPLAY15.12 DISPLAY18.12 DISPLAY21.12 DISPLAY24.12 DISPLAY27.12 U1.10 | length 141.5
  Top Layer w0.5: U1.10@87.7,164.605 87.7,147.189 DISPLAY3.12@90.809,144.08 ; DISPLAY27.12@90.825,35.08 89.376,36.529 89.376,47.131 DISPLAY24.12@90.825,48.58 ; DISPLAY24.12@90.825,48.92 89.376,50.369 89.376,60.881 ; DISPLAY21.12@90.825,62.42 DISPLAY21.12@90.78,62.375 ; DISPLAY18.12@90.825,75.83 89.376,74.381 89.376,63.779 DISPLAY21.12@90.78,62.375 ; DISPLAY18.12@90.825,76.08 89.376,77.529 89.376,88.131 DISPLAY15.12@90.825,89.58 ; DISPLAY15.12@90.825,89.83 89.376,91.279 89.376,101.881 90.825,103.33 89.376,104.779 89.376,115.381 DISPLAY9.12@90.825,116.83 ; DISPLAY9.12@90.825,117.08 89.376,118.529 89.376,129.131 90.825,130.58 89.376,132.029 89.376,142.631 DISPLAY3.12@90.825,144.08 ; 89.376,60.881 90.825,62.33 DISPLAY21.12@90.78,62.375 ; 89.376,60.881 89.376,60.971 DISPLAY21.12@90.78,62.375
/LEDCOL7: DISPLAY3.9 DISPLAY6.9 DISPLAY9.9 DISPLAY12.9 DISPLAY15.9 DISPLAY18.9 DISPLAY21.9 DISPLAY24.9 DISPLAY27.9 U2.16 | length 162
  Top Layer w0.5: U2.16@94.24,164.605 94.24,157.707 97.4,154.547 97.4,145.109 DISPLAY3.9@98.429,144.08 ; DISPLAY27.9@98.445,35.08 99.935,36.57 101.033,36.57 102.327,37.864 102.327,43.974 98.445,47.856 DISPLAY24.9@98.445,48.58 ; DISPLAY24.9@98.445,48.643 98.445,48.92 99.95,50.425 101.234,50.425 102.327,51.518 102.327,57.814 98.445,61.696 DISPLAY21.9@98.445,62.33 ; DISPLAY21.9@98.445,62.42 DISPLAY21.9@98.445,62.33 ; DISPLAY9.9@98.445,116.83 98.445,116.106 102.327,112.224 102.327,106.114 101.033,104.82 99.935,104.82 98.445,103.33 98.445,102.606 102.327,98.724 102.327,92.614 101.033,91.32 99.935,91.32 98.445,89.83 98.445,88.856 102.327,84.974 102.327,78.864 101.033,77.57 99.935,77.57 98.445,76.08 98.445,75.106 102.327,71.224 102.327,65.114 101.033,63.82 99.935,63.82 DISPLAY21.9@98.445,62.33 ; DISPLAY9.9@98.445,117.08 99.935,118.57 101.033,118.57 102.327,119.864 102.327,125.974 98.445,129.856 98.445,130.58 99.935,132.07 101.033,132.07 102.327,133.364 102.327,139.474 98.445,143.356 DISPLAY3.9@98.445,144.08
/LEDCOL8: DISPLAY3.8 DISPLAY6.8 DISPLAY9.8 DISPLAY12.8 DISPLAY15.8 DISPLAY18.8 DISPLAY21.8 DISPLAY24.8 DISPLAY27.8 U2.15 | length 145.6
  Top Layer w0.5: U2.15@96.78,164.605 96.78,157.208 98.8,155.187 98.8,146.4 100.969,144.231 DISPLAY3.8@100.969,144.08 ; DISPLAY27.8@100.969,35.08 DISPLAY27.8@100.985,35.063 ; DISPLAY21.8@100.969,62.33 100.985,62.313 100.985,60.238 103.176,58.048 103.176,51.111 100.985,48.92 100.985,46.398 103.176,44.207 103.176,37.271 DISPLAY27.8@100.985,35.08 ; DISPLAY21.8@100.985,62.33 103.176,64.521 103.176,71.457 100.985,73.648 100.985,76.08 103.176,78.271 103.176,85.207 100.985,87.398 100.985,89.83 103.176,92.021 103.176,98.957 100.985,101.148 100.985,103.33 103.176,105.521 103.176,112.457 100.985,114.648 DISPLAY9.8@100.985,116.83 ; DISPLAY9.8@100.985,117.08 103.176,119.271 103.176,126.207 100.985,128.398 100.985,130.58 103.176,132.771 103.176,139.707 100.985,141.898 DISPLAY3.8@100.985,144.08
CHECKANS: J1.38 S30.1 S30.2 | length 38.1
  Top Layer w0.254: S30.2@8.594,140.85 9.858,142.114 9.858,162.158 16.176,168.476 21.839,168.476 J1.38@23.05,167.265
COLON: D2.1 D8.1 D14.1 D20.1 D26.1 D32.1 D38.1 D44.1 D50.1 J1.23 | length 144.9
  Bottom Layer w0.5: D2.1@26.55,156.725 29.325,156.725 31,155.05 31,152.393 31.293,152.1 33.781,152.1 34.366,152.685 36.8,155.119 D8.1@36.8,156.75 ; J1.23@40.83,164.725 39.2,163.095 39.2,160.6 36.8,158.2 D8.1@36.8,156.75 ; D50.1@108.439,156.725 108.423,156.708 108.423,154.923 105.845,152.345 103.255,152.345 102.475,153.125 102.475,155.05 100.8,156.725 D44.1@98.203,156.725 98.203,154.388 96.16,152.345 93.055,152.345 92.225,153.175 92.225,155.85 91.35,156.725 D38.1@87.967,156.725 87.967,153.192 87.12,152.345 83.055,152.345 82,153.4 82,155.4 80.675,156.725 D32.1@77.731,156.725 77.731,153.756 76.275,152.3 72.475,152.3 71.877,152.898 71.877,155.598 70.75,156.725 D26.1@67.471,156.725 67.471,153.333 66.438,152.3 62.5,152.3 61.575,153.225 61.575,155.825 60.675,156.725 D20.1@57.258,156.725 57.258,153.526 56.032,152.3 52.2,152.3 51.425,153.075 51.425,155.225 49.925,156.725 D14.1@47.022,156.725 47.022,153.897 45.225,152.1 42.05,152.1 41.2,152.95 41.2,155.125 39.575,156.75 D8.1@36.8,156.75
CORRECT: D59.1 J1.32 | length 29.5
  Top Layer w0.254: D59.1@5.84,163 5.84,164.17 11.67,170 27.935,170 J1.32@30.67,167.265
DIFFEASY: D56.1 J1.39 | length 64.5
  Top Layer w0.254: D56.1@3.702,109.675 3.702,111.702 11.846,119.846 11.846,160.246 16.325,164.725 J1.39@20.51,164.725
DIFFHARD: D58.1 J1.35 | length 83.4
  Top Layer w0.254: D58.1@3.702,98.975 10.76,98.975 12.862,101.077 12.862,159.662 16.192,162.992 23.857,162.992 J1.35@25.59,164.725
DIFFMED: D57.1 J1.37 | length 74.4
  Top Layer w0.254: D57.1@3.702,104.275 7.781,104.275 12.354,108.848 12.354,160.036 15.818,163.5 21.825,163.5 J1.37@23.05,164.725
DIFFSET: J1.33 S33.1 S33.2 | length 84.6
  Top Layer w0.254: S33.2@8.964,93.607 13.37,98.013 13.37,159.452 16.402,162.484 25.889,162.484 J1.33@28.13,164.725
DIGON: D3.1 D9.1 D15.1 D21.1 D27.1 D33.1 D39.1 D45.1 D51.1 D55.1 J1.9 | length 313.5
  Top Layer w0.5: v1(53.573,21.673) 56.8,24.899 v1(56.8,144.08) ; v1(56.8,151.088) 56.8,162.915 J1.9@58.61,164.725
  Bottom Layer w0.5: D3.1@25.7,12.15 26.896,12.15 27.6,12.854 27.6,16.382 28.693,17.475 32.702,17.475 33.675,16.502 33.675,13.229 34.669,12.235 D9.1@34.669,12.15 34.671,12.152 35.827,12.152 36.625,12.95 36.625,16.437 37.663,17.475 41.672,17.475 42.675,16.472 42.675,13.199 43.639,12.235 D15.1@43.639,12.15 44.835,12.15 45.6,12.915 45.6,16.443 46.632,17.475 50.641,17.475 51.6,16.516 51.6,13.243 D21.1@52.608,12.235 ; v1(53.573,21.673) 53.573,13.2 D21.1@52.608,12.235 ; v1(56.8,144.08) v1(56.8,151.088) ; D55.1@106.4,12.225 106.4,15.575 104.5,17.475 100.449,17.475 99.35,16.376 99.35,12.8 98.7,12.15 D51.1@97.428,12.15 97.428,12.235 96.375,13.288 96.375,16.589 95.489,17.475 91.479,17.475 90.475,16.471 90.475,12.943 89.682,12.15 D45.1@88.486,12.15 88.486,12.235 87.425,13.296 87.425,16.569 86.519,17.475 82.51,17.475 81.35,16.315 81.35,12.787 80.713,12.15 D39.1@79.517,12.15 79.517,12.235 79.067,12.685 78.982,12.685 78.5,13.167 78.5,16.025 77.05,17.475 73.54,17.475 72.55,16.485 72.55,12.725 71.975,12.15 D33.1@70.547,12.15 70.547,12.235 69.247,13.535 69.247,16.808 68.58,17.475 64.571,17.475 63.883,16.787 63.883,13.259 62.774,12.15 D27.1@61.578,12.15 61.578,12.235 60.575,13.238 60.575,16.511 59.611,17.475 55.602,17.475 54.9,16.773 54.9,11.5 54.5,11.1 53.573,11.1 52.608,12.065 D21.1@52.608,12.15 D21.1@52.608,12.235
GIVEUP: J1.31 S32.1 S32.2 | length 60.1
  Top Layer w0.254: S32.2@8.594,123.65 11.3,126.356 11.3,160.6 16.632,165.932 29.463,165.932 J1.31@30.67,164.725